# Altium PCB Thermostat_EEM.PCBDOC (part 1 of 10) (continued)
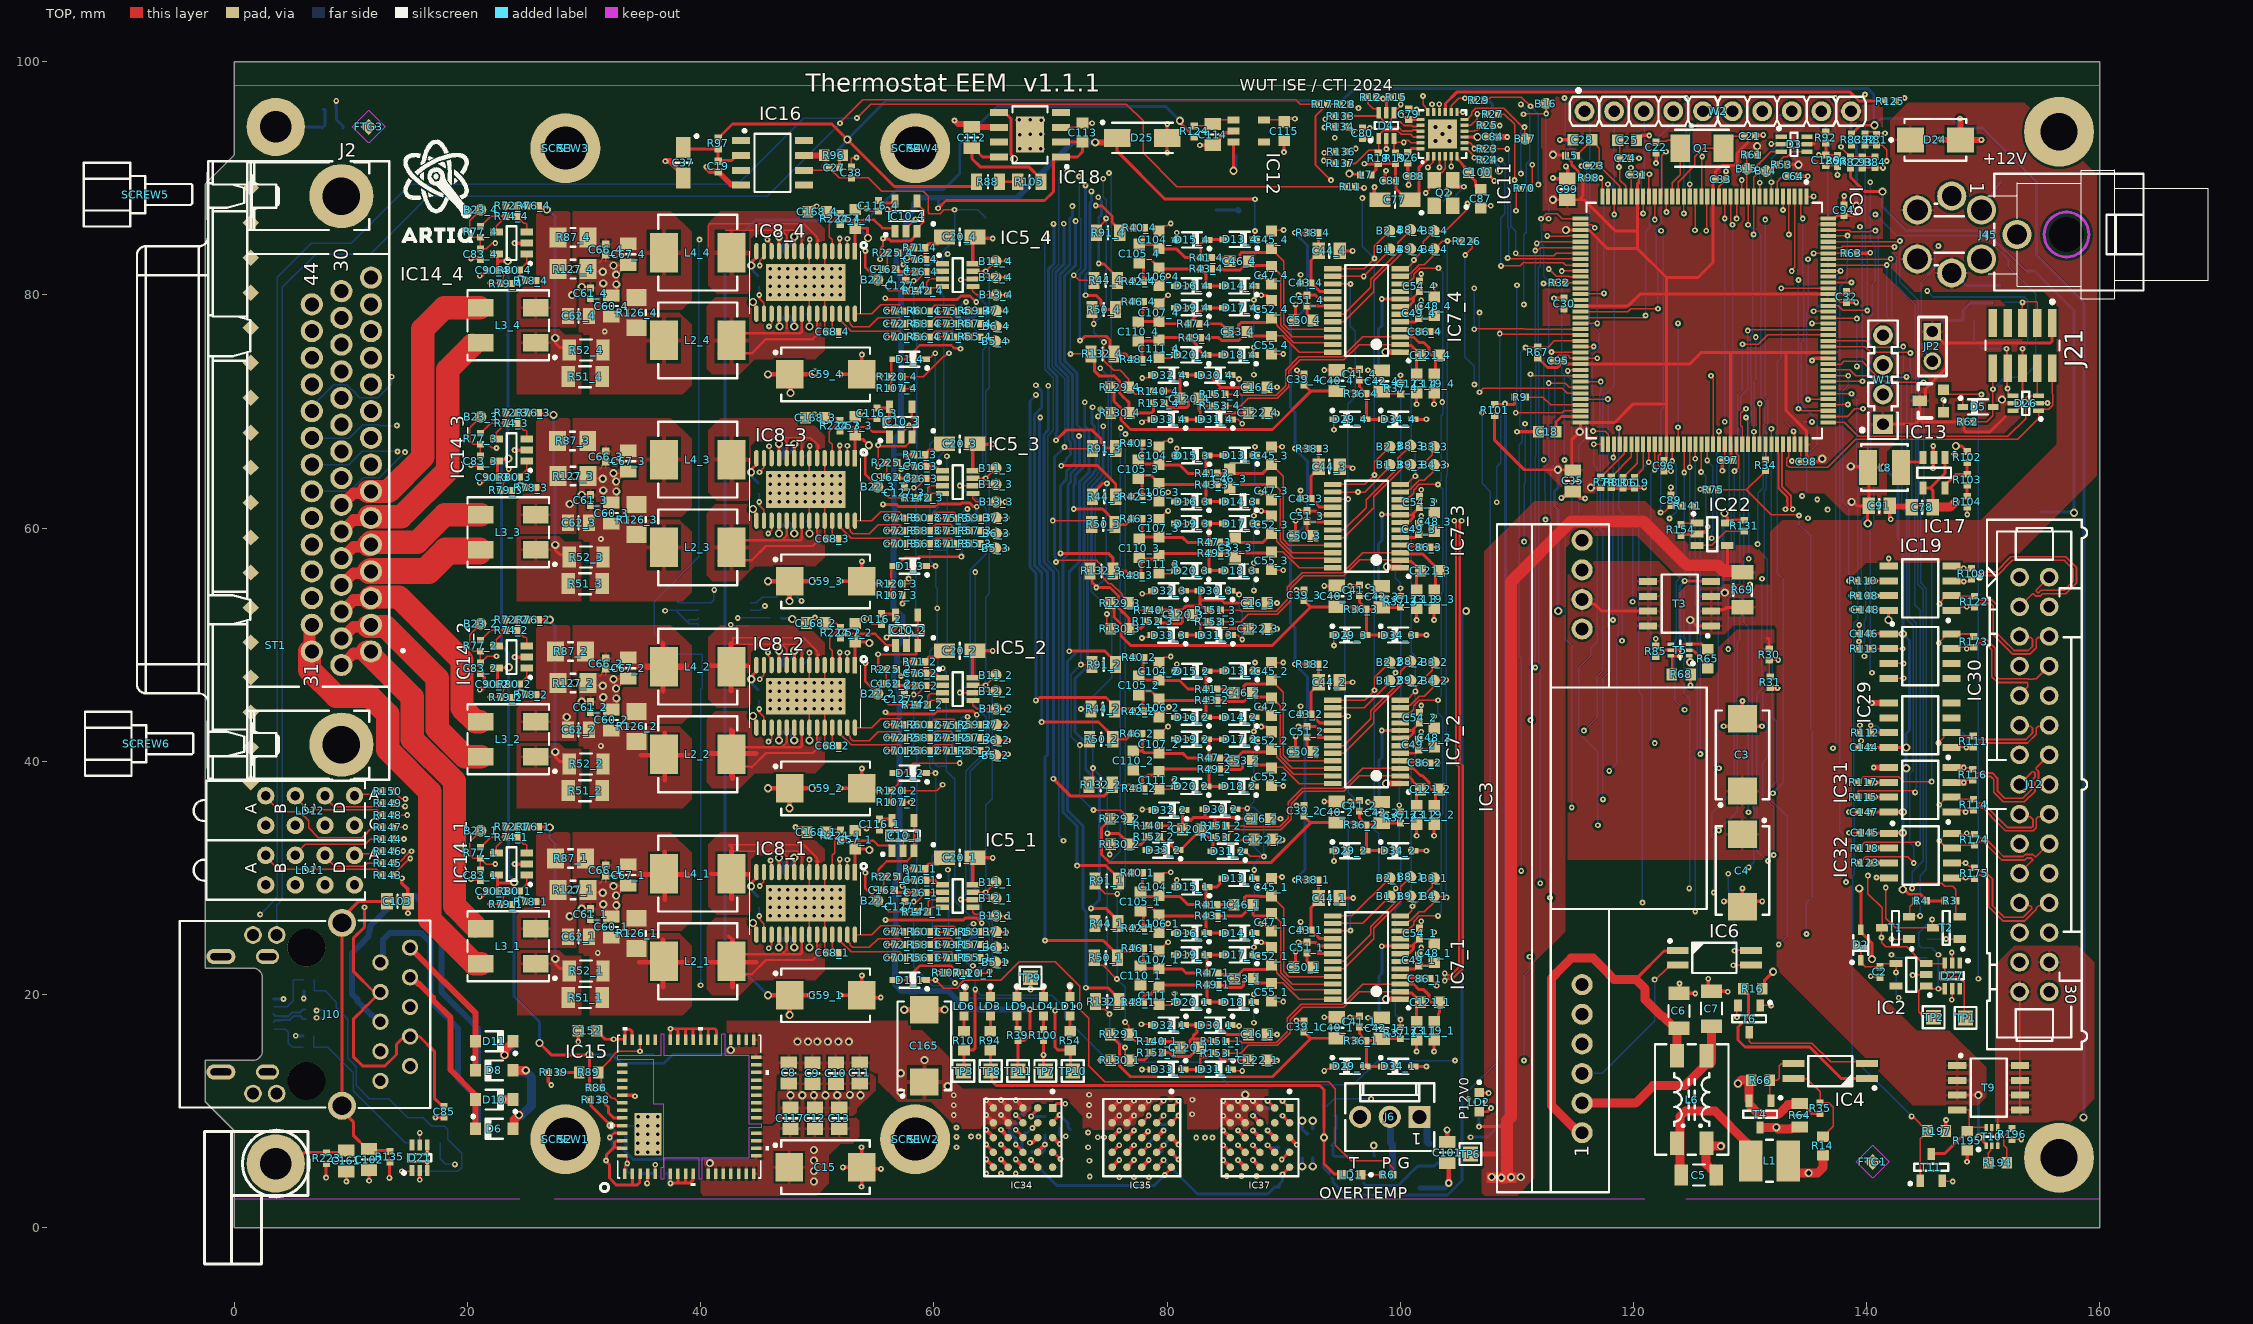
[diagram p0: TOP view]
## Design rules (kind name [scope] priority, off if disabled: settings) (continued)
Width "Schematic Width Constraint_4" [InNet('SENS1_2_P')] p12: maxlimit=0.381 minlimit=0.254 preferedwidth=0.254
Width "Schematic Width Constraint_3" [InNet('SENS0_4_P')] p13: maxlimit=0.381 minlimit=0.254 preferedwidth=0.254
Width "Schematic Width Constraint_2" [InNet('SENS0_2')] p14: maxlimit=0.381 minlimit=0.254 preferedwidth=0.254
Width "Schematic Width Constraint_1" [InNet('SENS0_3_N')] p15: maxlimit=0.381 minlimit=0.254 preferedwidth=0.254
Width "Schematic Width Constraint" [InNet('SENS1_3_P')] p16: maxlimit=0.381 minlimit=0.254 preferedwidth=0.254
Width Width_HPOW [InNetClass('HPOW')] p17: maxlimit=4 minlimit=0.254 preferedwidth=0.5
Width [All] p18: maxlimit=1.27 minlimit=0.127 preferedwidth=0.127
17 further rules are at their usual default settings.

## Classes and differential pairs
channel class TEC_driver: U_TEC_driver0 U_TEC_driver1 U_TEC_driver2 U_TEC_driver3
channel class AFE: U_AFE0 U_AFE1 U_AFE2 U_AFE3
net class HPOW: NetC5_1 NetC5_2 NetC6_2 NetC7_2 P3V3 P5V0 P12V0 P12V0_IN P12V0_POE PN_1 PN_2 PN_3 PN_4 POE_VC+ POE_VC- PPS_1 PPS_2 PPS_3 PPS_4 TEC0+ TEC0- TEC1+ TEC1- TEC2+ TEC2- TEC3+ TEC3-
net class Vref[3..0]: Vref0 Vref1 Vref2 Vref3
net class TEC_U_meas[3..0]: TEC_U_meas0 TEC_U_meas1 TEC_U_meas2 TEC_U_meas3
net class PWM_maxV[3..0]: PWM_maxV0 PWM_maxV1 PWM_maxV2 PWM_maxV3
net class PWM_maxIPos[3..0]: PWM_maxIPos0 PWM_maxIPos1 PWM_maxIPos2 PWM_maxIPos3
net class PWM_maxINeg[3..0]: PWM_maxINeg0 PWM_maxINeg1 PWM_maxINeg2 PWM_maxINeg3
net class ITEC[3..0]: ITEC0 ITEC1 ITEC2 ITEC3
net class DAC_SYNCn[3..0]: DAC_SYNCn0 DAC_SYNCn1 DAC_SYNCn2 DAC_SYNCn3
net class ADC_CSn[3..0]: ADC_CSn0 ADC_CSn1 ADC_CSn2 ADC_CSn3
net class \S\H\D\N\[3..0]: \S\H\D\N\0 \S\H\D\N\1 \S\H\D\N\2 \S\H\D\N\3
component class EEM_connector: C144 C145 C146 C147 C148 D27 IC19 IC23 IC29 IC30 IC31 IC32 IC36 IC39 IC40 IC41 J12 R108 R109 R110 R111 R112 R113 R114 R115 R116 R117 R118 R122 R123 R173 R174 R175 R194 R195 R196 R197 T9 T10 T11
component class U_TEC_driver3: B5_4 B6_4 B7_4 B11_4 B12_4 B13_4 B22_4 B23_4 C20_4 C26_4 C56_4 C57_4 C58_4 C59_4 C60_4 C61_4 C62_4 C63_4 C66_4 C67_4 C68_4 C69_4 C70_4 C71_4 C72_4 C73_4 C74_4 C75_4 C76_4 C83_4 C90_4 C116_4 C127_4 C162_4 C168_4 D1_4 IC5_4 IC8_4 IC10_4 IC14_4 IC38_4 L2_4 L3_4 L4_4 R51_4 R52_4 R55_4 R56_4 R57_4 R58_4 R59_4 R60_4 R71_4 R72_4 R74_4 R76_4 R77_4 R78_4 R79_4 R80_4 R87_4 R107_4 R120_4 R126_4 R127_4 R142_4 R224_4 R225_4
component class U_TEC_driver2: B5_3 B6_3 B7_3 B11_3 B12_3 B13_3 B22_3 B23_3 C20_3 C26_3 C56_3 C57_3 C58_3 C59_3 C60_3 C61_3 C62_3 C63_3 C66_3 C67_3 C68_3 C69_3 C70_3 C71_3 C72_3 C73_3 C74_3 C75_3 C76_3 C83_3 C90_3 C116_3 C127_3 C162_3 C168_3 D1_3 IC5_3 IC8_3 IC10_3 IC14_3 IC38_3 L2_3 L3_3 L4_3 R51_3 R52_3 R55_3 R56_3 R57_3 R58_3 R59_3 R60_3 R71_3 R72_3 R74_3 R76_3 R77_3 R78_3 R79_3 R80_3 R87_3 R107_3 R120_3 R126_3 R127_3 R142_3 R224_3 R225_3
component class U_AFE3: B1_4 B2_4 B3_4 B4_4 B8_4 B9_4 C16_4 C39_4 C40_4 C41_4 C42_4 C43_4 C44_4 C45_4 C46_4 C47_4 C48_4 C49_4 C50_4 C51_4 C52_4 C53_4 C54_4 C55_4 C86_4 C104_4 C105_4 C106_4 C107_4 C110_4 C111_4 C119_4 C120_4 C121_4 C122_4 C123_4 D13_4 D14_4 D15_4 D16_4 D17_4 D18_4 D19_4 D20_4 D29_4 D30_4 D31_4 D32_4 D33_4 D34_4 IC7_4 R36_4 R37_4 R38_4 R40_4 R41_4 R42_4 R43_4 R44_4 R46_4 R47_4 R48_4 R49_4 R50_4 R91_4 R129_4 R130_4 R132_4 R140_4 R151_4 R152_4 R153_4
component class U_AFE2: B1_3 B2_3 B3_3 B4_3 B8_3 B9_3 C16_3 C39_3 C40_3 C41_3 C42_3 C43_3 C44_3 C45_3 C46_3 C47_3 C48_3 C49_3 C50_3 C51_3 C52_3 C53_3 C54_3 C55_3 C86_3 C104_3 C105_3 C106_3 C107_3 C110_3 C111_3 C119_3 C120_3 C121_3 C122_3 C123_3 D13_3 D14_3 D15_3 D16_3 D17_3 D18_3 D19_3 D20_3 D29_3 D30_3 D31_3 D32_3 D33_3 D34_3 IC7_3 R36_3 R37_3 R38_3 R40_3 R41_3 R42_3 R43_3 R44_3 R46_3 R47_3 R48_3 R49_3 R50_3 R91_3 R129_3 R130_3 R132_3 R140_3 R151_3 R152_3 R153_3
component class U_AFE1: B1_2 B2_2 B3_2 B4_2 B8_2 B9_2 C16_2 C39_2 C40_2 C41_2 C42_2 C43_2 C44_2 C45_2 C46_2 C47_2 C48_2 C49_2 C50_2 C51_2 C52_2 C53_2 C54_2 C55_2 C86_2 C104_2 C105_2 C106_2 C107_2 C110_2 C111_2 C119_2 C120_2 C121_2 C122_2 C123_2 D13_2 D14_2 D15_2 D16_2 D17_2 D18_2 D19_2 D20_2 D29_2 D30_2 D31_2 D32_2 D33_2 D34_2 IC7_2 R36_2 R37_2 R38_2 R40_2 R41_2 R42_2 R43_2 R44_2 R46_2 R47_2 R48_2 R49_2 R50_2 R91_2 R129_2 R130_2 R132_2 R140_2 R151_2 R152_2 R153_2
component class U_AFE0: B1_1 B2_1 B3_1 B4_1 B8_1 B9_1 C16_1 C39_1 C40_1 C41_1 C42_1 C43_1 C44_1 C45_1 C46_1 C47_1 C48_1 C49_1 C50_1 C51_1 C52_1 C53_1 C54_1 C55_1 C86_1 C104_1 C105_1 C106_1 C107_1 C110_1 C111_1 C119_1 C120_1 C121_1 C122_1 C123_1 D13_1 D14_1 D15_1 D16_1 D17_1 D18_1 D19_1 D20_1 D29_1 D30_1 D31_1 D32_1 D33_1 D34_1 IC7_1 R36_1 R37_1 R38_1 R40_1 R41_1 R42_1 R43_1 R44_1 R46_1 R47_1 R48_1 R49_1 R50_1 R91_1 R129_1 R130_1 R132_1 R140_1 R151_1 R152_1 R153_1
component class Thermostat_EEM: C1 C2 C160 C161 D3 FTG1 FTG2 FTG3 FTG4 IC1 IC2 J2 LD1 R1 R2 R3 R4 R5 R6 R220 R223 S1 S2 S3 S4 SCREW1 SCREW2 SCREW3 SCREW4 SCREW5 SCREW6 SCREW7 SCREW8 ST1 Standoff1 Standoff2 Standoff4 T1 T2 TP1 TP2 TP3
net class POWER: P5V0 P12V0
net class HV: NetC5_1 NetC5_2 NetC6_2 NetC7_2 NetIC3_3 NetIC4_3 NetIC4_4 POE_IN1 POE_IN2 POE_IN3 POE_IN4 POE_VC+ POE_VC-
component class USB: C108 C109 D21 FB1 FB2 J9 L9 R73 R75
component class U_STM32_F4CPU: B14 B15 C17 C18 C21 C22 C23 C24 C25 C28 C29 C30 C31 C32 C33 C35 C64 C92 C93 C94 C95 C96 C97 C98 C99 C126 D5 D26 IC9 IC13 J21 JP2 L5 LD11 LD12 Q1 R7 R8 R32 R33 R34 R53 R61 R62 R63 R70 R81 R82 R83 R84 R92 R93 R106 R119 R143 R144 R145 R146 R147 R148 R149 R150 R226 W1 W2
component class U_TEC_driver1: B5_2 B6_2 B7_2 B11_2 B12_2 B13_2 B22_2 B23_2 C20_2 C26_2 C56_2 C57_2 C58_2 C59_2 C60_2 C61_2 C62_2 C63_2 C66_2 C67_2 C68_2 C69_2 C70_2 C71_2 C72_2 C73_2 C74_2 C75_2 C76_2 C83_2 C90_2 C116_2 C127_2 C162_2 C168_2 D1_2 IC5_2 IC8_2 IC10_2 IC14_2 IC38_2 L2_2 L3_2 L4_2 R51_2 R52_2 R55_2 R56_2 R57_2 R58_2 R59_2 R60_2 R71_2 R72_2 R74_2 R76_2 R77_2 R78_2 R79_2 R80_2 R87_2 R107_2 R120_2 R126_2 R127_2 R142_2 R224_2 R225_2
component class U_TEC_driver0: B5_1 B6_1 B7_1 B11_1 B12_1 B13_1 B22_1 B23_1 C20_1 C26_1 C56_1 C57_1 C58_1 C59_1 C60_1 C61_1 C62_1 C63_1 C66_1 C67_1 C68_1 C69_1 C70_1 C71_1 C72_1 C73_1 C74_1 C75_1 C76_1 C83_1 C90_1 C116_1 C127_1 C162_1 C168_1 D1_1 IC5_1 IC8_1 IC10_1 IC14_1 IC38_1 L2_1 L3_1 L4_1 R51_1 R52_1 R55_1 R56_1 R57_1 R58_1 R59_1 R60_1 R71_1 R72_1 R74_1 R76_1 R77_1 R78_1 R79_1 R80_1 R87_1 R107_1 R120_1 R126_1 R127_1 R142_1 R224_1 R225_1
component class RMII_Ethernet: B16 B17 C36 C65 C77 C79 C80 C81 C84 C85 C87 C88 C100 C102 C103 D4 D6 D7 D8 D9 D10 D11 D22 D23 IC11 J10 L7 Q2 R11 R12 R15 R17 R18 R19 R20 R21 R22 R23 R24 R25 R26 R27 R28 R29 R98 R99 R125 R133 R134 R135 R136 R137
component class U_Thermostat_Supply: B10 B18 B19 B20 B21 B24 B25 C3 C4 C5 C6 C7 C8 C9 C10 C11 C12 C13 C14 C15 C19 C27 C34 C37 C38 C78 C82 C89 C91 C101 C112 C113 C114 C115 C117 C118 C152 C155 C156 C157 C158 C159 C163 C164 C165 C166 C167 D2 D12 D24 D25 D28 IC3 IC4 IC6 IC12 IC15 IC16 IC17 IC18 IC22 IC34 IC35 IC37 J4 J5 J6 L1 L6 L8 LD2 LD3 LD4 LD6 LD9 LD10 R9 R10 R13 R14 R16 R30 R31 R35 R39 R54 R64 R65 R66 R67 R68 R69 R85 R86 R88 R89 R90 R94 R95 R96 R97 R100 R101 R102 R103 R104 R105 R121 R124 R128 R131 R138 R139 R141 R154 R219 R221 R222 R227 R228 R229 R230 R231 T3 T4 T5 T6 T7 T8 TP4 TP5 TP6 TP7 TP8 TP9 TP10 TP11 TP12 TP13 TP14
differential pair TD: +TD_P -TD_N
differential pair RD: +RD_P -RD_N
differential pair LVDS7: +LVDS7_P -LVDS7_N
differential pair LVDS6: +LVDS6_P -LVDS6_N
differential pair LVDS5: +LVDS5_P -LVDS5_N
differential pair LVDS4: +LVDS4_P -LVDS4_N
differential pair LVDS3: +LVDS3_P -LVDS3_N
differential pair LVDS2: +LVDS2_P -LVDS2_N
differential pair LVDS1: +LVDS1_P -LVDS1_N
differential pair LVDS0: +LVDS0_P -LVDS0_N
differential pair USB: +USB_P -USB_N
differential pair USBJ: +USBJ_P -USBJ_N
differential pair PHY_TD: +PHY_TD_P -PHY_TD_N
differential pair PHY_RD: +PHY_RD_P -PHY_RD_N

## Components (designator, comment, footprint, x,y, rotation, side; value= is the part's Value field where it differs from the comment)
B1_1 "SMD Pad" C100#1 99.103,28.433 r90 top (schematic designator B1)
B1_2 "SMD Pad" C100#1 99.103,46.933 r90 top (schematic designator B1)
B1_3 "SMD Pad" C100#1 99.103,65.433 r90 top (schematic designator B1)
B1_4 "SMD Pad" C100#1 99.103,83.933 r90 top (schematic designator B1)
B2_1 "SMD Pad" C100#1 99.103,29.989 r90 top (schematic designator B2)
B2_2 "SMD Pad" C100#1 99.103,48.489 r90 top (schematic designator B2)
B2_3 "SMD Pad" C100#1 99.103,66.989 r90 top (schematic designator B2)
B2_4 "SMD Pad" C100#1 99.103,85.489 r90 top (schematic designator B2)
B3_1 "SMD Pad" C100#1 102.903,29.989 r90 top (schematic designator B3)
B3_2 "SMD Pad" C100#1 102.903,48.489 r90 top (schematic designator B3)
B3_3 "SMD Pad" C100#1 102.903,66.989 r90 top (schematic designator B3)
B3_4 "SMD Pad" C100#1 102.903,85.489 r90 top (schematic designator B3)
B4_1 "SMD Pad" C100#1 102.901,28.433 r90 top (schematic designator B4)
B4_2 "SMD Pad" C100#1 102.901,46.933 r90 top (schematic designator B4)
B4_3 "SMD Pad" C100#1 102.901,65.433 r90 top (schematic designator B4)
B4_4 "SMD Pad" C100#1 102.901,83.933 r90 top (schematic designator B4)
B5_1 "SMD Pad" C100#2 65.275,22.778 r270 top (schematic designator B5)
B5_2 "SMD Pad" C100#1 65.275,40.528 r270 top (schematic designator B5)
B5_3 "SMD Pad" C100#1 65.275,58.278 r270 top (schematic designator B5)
B5_4 "SMD Pad" C100#1 65.275,76.028 r270 top (schematic designator B5)
B6_1 "SMD Pad" C100#2 65.337,24.05 r270 top (schematic designator B6)
B6_2 "SMD Pad" C100#1 65.337,41.8 r270 top (schematic designator B6)
B6_3 "SMD Pad" C100#1 65.337,59.55 r270 top (schematic designator B6)
B6_4 "SMD Pad" C100#1 65.337,77.3 r270 top (schematic designator B6)
B7_1 "SMD Pad" C100#2 65.337,25.395 r270 top (schematic designator B7)
B7_2 "SMD Pad" C100#1 65.337,43.145 r270 top (schematic designator B7)
B7_3 "SMD Pad" C100#1 65.337,60.895 r270 top (schematic designator B7)
B7_4 "SMD Pad" C100#1 65.337,78.645 r270 top (schematic designator B7)
B8_1 "SMD Pad" C100#1 100.883,30.089 r90 top (schematic designator B8)
B8_2 "SMD Pad" C100#1 100.883,48.589 r90 top (schematic designator B8)
B8_3 "SMD Pad" C100#1 100.883,67.089 r90 top (schematic designator B8)
B8_4 "SMD Pad" C100#1 100.883,85.589 r90 top (schematic designator B8)
B9_1 "SMD Pad" C100#1 100.883,28.439 r90 top (schematic designator B9)
B9_2 "SMD Pad" C100#1 100.883,46.939 r90 top (schematic designator B9)
B9_3 "SMD Pad" C100#1 100.883,65.439 r90 top (schematic designator B9)
B9_4 "SMD Pad" C100#1 100.883,83.939 r90 top (schematic designator B9)
B10 "SMD Pad" C75 68.239,10.321 r90 bottom
B11_1 "SMD Pad" C100#2 65.312,29.655 r270 top (schematic designator B11)
B11_2 "SMD Pad" C100#1 65.312,47.405 r270 top (schematic designator B11)
B11_3 "SMD Pad" C100#1 65.312,65.155 r270 top (schematic designator B11)
B11_4 "SMD Pad" C100#1 65.312,82.905 r270 top (schematic designator B11)
B12_1 "SMD Pad" C100#2 65.312,28.255 r270 top (schematic designator B12)
B12_2 "SMD Pad" C100#1 65.312,46.005 r270 top (schematic designator B12)
B12_3 "SMD Pad" C100#1 65.312,63.755 r270 top (schematic designator B12)
B12_4 "SMD Pad" C100#1 65.312,81.505 r270 top (schematic designator B12)
B13_1 "SMD Pad" C100#2 65.337,26.755 r270 top (schematic designator B13)
B13_2 "SMD Pad" C100#1 65.337,44.505 r270 top (schematic designator B13)
B13_3 "SMD Pad" C100#1 65.337,62.255 r270 top (schematic designator B13)
B13_4 "SMD Pad" C100#1 65.337,80.005 r270 top (schematic designator B13)
B14 "SMD Pad" C100#1 131.366,90.634 r90 top
B15 "SMD Pad" C100#1 129.732,90.836 r90 top
B16 "SMD Pad" C100#1 112.489,96.413 r0 top
B17 "SMD Pad" C100#1 110.717,93.396 r0 top
B18 "SMD Pad" C75 89.231,10.283 r270 bottom
B19 "SMD Pad" C75 77.808,8.968 r90 bottom
B20 "SMD Pad" C75 68.941,5.207 r90 bottom
B21 "SMD Pad" C75 89.441,3.607 r90 bottom
B22_1 "SMD Pad" C100#3 55.175,28.055 r270 top (schematic designator B22)
B22_2 "SMD Pad" C100#1 55.175,45.805 r270 top (schematic designator B22)
B22_3 "SMD Pad" C100#1 55.175,63.555 r270 top (schematic designator B22)
B22_4 "SMD Pad" C100#1 55.175,81.305 r270 top (schematic designator B22)
B23_1 "SMD Pad" C100#3 21.127,34.06 r180 top (schematic designator B23)
B23_2 "SMD Pad" C100#1 21.127,51.81 r180 top (schematic designator B23)
B23_3 "SMD Pad" C100#1 21.127,69.56 r180 top (schematic designator B23)
B23_4 "SMD Pad" C100#1 21.127,87.31 r180 top (schematic designator B23)
B24 "SMD Pad" C100#1 151.465,80.814 r0 bottom
B25 "SMD Pad" C100#1 151.465,89.675 r0 bottom
C1 "100nF" CAPC1005X55N 37.953,53.325 r90 bottom
C2 "100nF" CAPC1005X55N 141.143,21.942 r90 top
C3 "220uF" CAPMP7343X430N 129.35,40.558 r90 top
C4 "220uF" CAPMP7343X430N 129.35,30.642 r270 top
C5 "4.7nF" CAPC3216X140N 125.602,4.521 r180 top
C6 "4.7nF" CAPC3216X140N 123.9,18.6 r270 top
C7 "4.7nF" CAPC3216X140N 126.7,18.8 r270 top
C8 "22uF" CAPC2012X135N 47.559,13.275 r90 top
C9 "22uF" CAPC2012X135N 49.586,13.25 r90 top
C10 "22uF" CAPC2012X135N 51.603,13.25 r90 top
C11 "22uF" CAPC2012X135N 53.632,13.275 r90 top
C12 "10uF" CAPC2012X135N 49.8,9.4 r270 top
C13 "10uF" CAPC2012X135N 51.9,9.4 r270 top
C14 "100nF" CAPC1005X55N 33.65,8.45 r270 bottom
C15 "220uF" CAPMP7343X430N 50.7,5.2 r0 top
C16_1 "10nF" CAPC1608X87N 87.769,16.581 r0 top (schematic designator C16)
C16_2 "10nF" CAPC1608X87N 88.064,35.081 r0 top (schematic designator C16)
C16_3 "10nF" CAPC1608X87N 87.769,53.581 r0 top (schematic designator C16)
C16_4 "10nF" CAPC1608X87N 87.769,72.081 r0 top (schematic designator C16)
C17 "2.2uF" CAPC1608X90N 133.769,69.119 r180 bottom
C18 "2.2uF" CAPC1608X90N 112.612,68.269 r0 top
C19 "100nF" CAPC1005X55N 41.5,91.025 r270 top
C20_1 "10uF" CAPMP3216X180N 62.23,31.725 r0 top (schematic designator C20)
C20_2 "10uF" CAPMP3216X180N 62.23,49.475 r0 top (schematic designator C20)
C20_3 "10uF" CAPMP3216X180N 62.23,67.225 r0 top (schematic designator C20)
C20_4 "10uF" CAPMP3216X180N 62.23,84.975 r0 top (schematic designator C20)
C21 "12pF" CAPC1005X55N 129.985,93.63 r0 top
C22 "12pF" CAPC1005X55N 121.935,92.657 r270 top
C23 "10nF" CAPC1005X55N 116.597,91.1 r0 top
C24 "10nF" CAPC1005X55N 119.306,91.732 r180 top
C25 "1uF" CAPC1608X87N 119.451,93.262 r180 top
C26_1 "100nF" CAPC1005X55N 58.875,28.75 r180 top (schematic designator C26)
C26_2 "100nF" CAPC1005X55N 58.875,46.5 r180 top (schematic designator C26)
C26_3 "100nF" CAPC1005X55N 58.875,64.25 r180 top (schematic designator C26)
C26_4 "100nF" CAPC1005X55N 58.875,82 r180 top (schematic designator C26)
C27 "10nF" CAPC1005X55N 51.45,90.925 r0 top
C28 "1uF" CAPC1608X87N 115.622,93.301 r0 top
C29 "100nF" CAPC1005X55N 151.293,79.297 r180 bottom
C30 "100nF" CAPC1005X55N 114.053,79.269 r270 top
C31 "100nF" CAPC1005X55N 120.228,90.3 r0 top
C32 "100nF" CAPC1005X55N 138.278,79.831 r90 top
C33 "100nF" CAPC1005X55N 127.485,89.912 r180 top
C34 "22pF" CAPC1005X55N 34.351,4.645 r0 bottom
C35 "10uF" CAPC2012X135N 114.807,64.05 r270 top
C36 "18pF" CAPC1005X55N 103.62,89.725 r180 bottom
C37 "10uF" CAPMP3216X180N 38.525,91.35 r270 top
C38 "100nF" CAPC1005X55N 52.932,90.5 r90 top
C39_1 "100nF" CAPC1005X55N 91.74,17.256 r90 top (schematic designator C39)
C39_2 "100nF" CAPC1005X55N 91.74,35.756 r90 top (schematic designator C39)
C39_3 "100nF" CAPC1005X55N 91.74,54.256 r90 top (schematic designator C39)
C39_4 "100nF" CAPC1005X55N 91.74,72.756 r90 top (schematic designator C39)
C40_1 "10uF" CAPC2012X135N 94.552,17.156 r90 top (schematic designator C40)
C40_2 "10uF" CAPC2012X135N 94.552,35.656 r90 top (schematic designator C40)
C40_3 "10uF" CAPC2012X135N 94.552,54.156 r90 top (schematic designator C40)
C40_4 "10uF" CAPC2012X135N 94.552,72.656 r90 top (schematic designator C40)
C41_1 "100nF" CAPC1005X55N 96.503,17.689 r90 top (schematic designator C41)
C41_2 "100nF" CAPC1005X55N 96.503,36.189 r90 top (schematic designator C41)
C41_3 "100nF" CAPC1005X55N 96.503,54.689 r90 top (schematic designator C41)
C41_4 "100nF" CAPC1005X55N 96.503,73.189 r90 top (schematic designator C41)
C42_1 "10uF" CAPC2012X135N 98.417,17.114 r90 top (schematic designator C42)
C42_2 "10uF" CAPC2012X135N 98.417,35.614 r90 top (schematic designator C42)
C42_3 "10uF" CAPC2012X135N 98.417,54.114 r90 top (schematic designator C42)
C42_4 "10uF" CAPC2012X135N 98.417,72.614 r90 top (schematic designator C42)
C43_1 "100nF" CAPC1005X55N 91.903,25.539 r180 top (schematic designator C43)
C43_2 "100nF" CAPC1005X55N 91.903,44.039 r180 top (schematic designator C43)
C43_3 "100nF" CAPC1005X55N 91.903,62.539 r180 top (schematic designator C43)
C43_4 "100nF" CAPC1005X55N 91.903,81.039 r180 top (schematic designator C43)
C44_1 "10uF" CAPC2012X135N 93.903,28.282 r0 top (schematic designator C44)
C44_2 "10uF" CAPC2012X135N 93.903,46.782 r0 top (schematic designator C44)
C44_3 "10uF" CAPC2012X135N 93.903,65.282 r0 top (schematic designator C44)
C44_4 "10uF" CAPC2012X135N 93.903,83.782 r0 top (schematic designator C44)
C45_1 "1nF" CAPC1608X90N 88.955,29.223 r90 top (schematic designator C45)
C45_2 "1nF" CAPC1608X90N 88.955,47.723 r90 top (schematic designator C45)
C45_3 "1nF" CAPC1608X90N 88.955,66.223 r90 top (schematic designator C45)
C45_4 "1nF" CAPC1608X90N 88.955,84.723 r90 top (schematic designator C45)
C46_1 "10nF" CAPC1608X87N 86.557,27.708 r0 top (schematic designator C46)
C46_2 "10nF" CAPC1608X87N 86.538,45.88 r0 top (schematic designator C46)
C46_3 "10nF" CAPC1608X87N 85.365,64.258 r270 top (schematic designator C46)
C46_4 "10nF" CAPC1608X87N 86.18,82.905 r0 top (schematic designator C46)
C47_1 "1nF" CAPC1608X90N 88.955,26.191 r90 top (schematic designator C47)
C47_2 "1nF" CAPC1608X90N 88.955,44.691 r90 top (schematic designator C47)
C47_3 "1nF" CAPC1608X90N 88.955,63.191 r90 top (schematic designator C47)
C47_4 "1nF" CAPC1608X90N 88.955,81.691 r90 top (schematic designator C47)
C48_1 "1uF" CAPC1608X87N 102.903,23.539 r270 top (schematic designator C48)
C48_2 "1uF" CAPC1608X87N 102.903,42.039 r270 top (schematic designator C48)
C48_3 "1uF" CAPC1608X87N 102.903,60.539 r270 top (schematic designator C48)
C48_4 "1uF" CAPC1608X87N 102.903,79.039 r270 top (schematic designator C48)
C49_1 "100nF" CAPC1005X55N 101.596,22.929 r90 top (schematic designator C49)
C49_2 "100nF" CAPC1005X55N 101.596,41.429 r90 top (schematic designator C49)
C49_3 "100nF" CAPC1005X55N 101.596,59.929 r90 top (schematic designator C49)
C49_4 "100nF" CAPC1005X55N 101.596,78.429 r90 top (schematic designator C49)
C50_1 "1uF" CAPC1608X87N 91.703,22.339 r0 top (schematic designator C50)
C50_2 "1uF" CAPC1608X87N 91.703,40.839 r0 top (schematic designator C50)
C50_3 "1uF" CAPC1608X87N 91.703,59.339 r0 top (schematic designator C50)
C50_4 "1uF" CAPC1608X87N 91.703,77.839 r0 top (schematic designator C50)
C51_1 "100nF" CAPC1005X55N 92.003,24.036 r90 top (schematic designator C51)
C51_2 "100nF" CAPC1005X55N 92.003,42.536 r90 top (schematic designator C51)
C51_3 "100nF" CAPC1005X55N 92.003,61.036 r90 top (schematic designator C51)
C51_4 "100nF" CAPC1005X55N 92.003,79.536 r90 top (schematic designator C51)
C52_1 "1nF" CAPC1608X90N 88.955,23.289 r90 top (schematic designator C52)
C52_2 "1nF" CAPC1608X90N 88.955,41.789 r90 top (schematic designator C52)
C52_3 "1nF" CAPC1608X90N 88.955,60.289 r90 top (schematic designator C52)
C52_4 "1nF" CAPC1608X90N 88.955,78.789 r90 top (schematic designator C52)
C53_1 "10nF" CAPC1608X87N 86.609,21.368 r0 top (schematic designator C53)
C53_2 "10nF" CAPC1608X87N 86.532,40.048 r0 top (schematic designator C53)
C53_3 "10nF" CAPC1608X87N 85.839,58.342 r270 top (schematic designator C53)
C53_4 "10nF" CAPC1608X87N 86.071,76.843 r0 top (schematic designator C53)
C54_1 "100nF" CAPC1005X55N 101.653,25.246 r90 top (schematic designator C54)
C54_2 "100nF" CAPC1005X55N 101.653,43.746 r90 top (schematic designator C54)
C54_3 "100nF" CAPC1005X55N 101.653,62.246 r90 top (schematic designator C54)
C54_4 "100nF" CAPC1005X55N 101.653,80.746 r90 top (schematic designator C54)
C55_1 "1nF" CAPC1608X90N 88.955,20.195 r90 top (schematic designator C55)
C55_2 "1nF" CAPC1608X90N 88.955,38.695 r90 top (schematic designator C55)
C55_3 "1nF" CAPC1608X90N 88.955,57.195 r90 top (schematic designator C55)
C55_4 "1nF" CAPC1608X90N 88.955,75.695 r90 top (schematic designator C55)
C56_1 "1uF" CAPC1608X87N 47.925,30.444 r180 bottom (schematic designator C56)
C56_2 "1uF" CAPC1608X87N 47.925,48.194 r180 bottom (schematic designator C56)
C56_3 "1uF" CAPC1608X87N 47.925,65.944 r180 bottom (schematic designator C56)
C56_4 "1uF" CAPC1608X87N 47.925,83.694 r180 bottom (schematic designator C56)
C57_1 "1uF" CAPC1608X87N 53.25,33.275 r270 top (schematic designator C57)
C57_2 "1uF" CAPC1608X87N 53.25,51.025 r270 top (schematic designator C57)
C57_3 "1uF" CAPC1608X87N 53.25,68.775 r270 top (schematic designator C57)
C57_4 "1uF" CAPC1608X87N 53.25,86.525 r270 top (schematic designator C57)
C58_1 "1uF" CAPC1608X87N 48.232,25.144 r180 bottom (schematic designator C58)
C58_2 "1uF" CAPC1608X87N 48.232,42.894 r180 bottom (schematic designator C58)
C58_3 "1uF" CAPC1608X87N 48.232,60.644 r180 bottom (schematic designator C58)
C58_4 "1uF" CAPC1608X87N 48.232,78.394 r180 bottom (schematic designator C58)
C59_1 "220uF" CAPMP7343X430N 50.725,19.944 r0 top (schematic designator C59)
C59_2 "220uF" CAPMP7343X430N 50.725,37.694 r0 top (schematic designator C59)
C59_3 "220uF" CAPMP7343X430N 50.725,55.444 r0 top (schematic designator C59)
C59_4 "220uF" CAPMP7343X430N 50.725,73.194 r0 top (schematic designator C59)
C60_1 "10uF" CAPC2012X135N 32.325,25.802 r90 top (schematic designator C60)
C60_2 "10uF" CAPC2012X135N 32.325,43.552 r90 top (schematic designator C60)
C60_3 "10uF" CAPC2012X135N 32.325,61.302 r90 top (schematic designator C60)
C60_4 "10uF" CAPC2012X135N 32.325,79.052 r90 top (schematic designator C60)
C61_1 "100nF" CAPC1005X55N 30.552,26.91 r270 top (schematic designator C61)
C61_2 "100nF" CAPC1005X55N 30.552,44.66 r270 top (schematic designator C61)
C61_3 "100nF" CAPC1005X55N 30.552,62.41 r270 top (schematic designator C61)
C61_4 "100nF" CAPC1005X55N 30.552,80.16 r270 top (schematic designator C61)
C62_1 "10uF" CAPC2012X135N 29.525,24.955 r0 top (schematic designator C62)
C62_2 "10uF" CAPC2012X135N 29.525,42.705 r0 top (schematic designator C62)
C62_3 "10uF" CAPC2012X135N 29.525,60.455 r0 top (schematic designator C62)
C62_4 "10uF" CAPC2012X135N 29.525,78.205 r0 top (schematic designator C62)
C63_1 "100nF" CAPC1005X55N 44.925,27.944 r90 bottom (schematic designator C63)
C63_2 "100nF" CAPC1005X55N 44.925,45.694 r90 bottom (schematic designator C63)
C63_3 "100nF" CAPC1005X55N 44.925,63.444 r90 bottom (schematic designator C63)
C63_4 "100nF" CAPC1005X55N 44.925,81.194 r90 bottom (schematic designator C63)
C64 "100nF" CAPC1005X55N 133.703,90.187 r180 top
C65 "18pF" CAPC1005X55N 104.089,88.005 r180 bottom
C66_1 "100nF" CAPC1005X55N 31.852,30.644 r270 top (schematic designator C66)
C66_2 "100nF" CAPC1005X55N 31.852,48.394 r270 top (schematic designator C66)
C66_3 "100nF" CAPC1005X55N 31.852,66.144 r270 top (schematic designator C66)
C66_4 "100nF" CAPC1005X55N 31.852,83.894 r270 top (schematic designator C66)
C67_1 "10uF" CAPC2012X135N 33.802,30.251 r90 top (schematic designator C67)
C67_2 "10uF" CAPC2012X135N 33.802,48.001 r90 top (schematic designator C67)
C67_3 "10uF" CAPC2012X135N 33.802,65.751 r90 top (schematic designator C67)
C67_4 "10uF" CAPC2012X135N 33.802,83.501 r90 top (schematic designator C67)
C68_1 "10nF" CAPC1005X55N 51.307,23.59 r0 top (schematic designator C68)
C68_2 "10nF" CAPC1005X55N 51.307,41.34 r0 top (schematic designator C68)
C68_3 "10nF" CAPC1005X55N 51.307,59.09 r0 top (schematic designator C68)
C68_4 "10nF" CAPC1005X55N 51.307,76.84 r0 top (schematic designator C68)
C69_1 "1uF" CAPC1608X87N 64.054,24.462 r90 bottom (schematic designator C69)
C69_2 "1uF" CAPC1608X87N 63.8,42.247 r90 bottom (schematic designator C69)
C69_3 "1uF" CAPC1608X87N 63.8,60.113 r90 bottom (schematic designator C69)
C69_4 "1uF" CAPC1608X87N 63.8,77.627 r90 bottom (schematic designator C69)
C70_1 "100nF" CAPC1005X55N 57.105,23.157 r180 top (schematic designator C70)
C70_2 "100nF" CAPC1005X55N 57.105,40.907 r180 top (schematic designator C70)
C70_3 "100nF" CAPC1005X55N 57.105,58.657 r180 top (schematic designator C70)
C70_4 "100nF" CAPC1005X55N 57.105,76.407 r180 top (schematic designator C70)
C71_1 "100nF" CAPC1005X55N 61.525,23.157 r180 top (schematic designator C71)
C71_2 "100nF" CAPC1005X55N 61.525,40.907 r180 top (schematic designator C71)
C71_3 "100nF" CAPC1005X55N 61.525,58.657 r180 top (schematic designator C71)
C71_4 "100nF" CAPC1005X55N 61.525,76.407 r180 top (schematic designator C71)
C72_1 "100nF" CAPC1005X55N 57.105,24.286 r180 top (schematic designator C72)
C72_2 "100nF" CAPC1005X55N 57.105,42.036 r180 top (schematic designator C72)
C72_3 "100nF" CAPC1005X55N 57.105,59.786 r180 top (schematic designator C72)
C72_4 "100nF" CAPC1005X55N 57.105,77.536 r180 top (schematic designator C72)
C73_1 "100nF" CAPC1005X55N 61.525,24.286 r180 top (schematic designator C73)
C73_2 "100nF" CAPC1005X55N 61.525,42.036 r180 top (schematic designator C73)
C73_3 "100nF" CAPC1005X55N 61.525,59.786 r180 top (schematic designator C73)
C73_4 "100nF" CAPC1005X55N 61.525,77.536 r180 top (schematic designator C73)
C74_1 "100nF" CAPC1005X55N 57.105,25.383 r180 top (schematic designator C74)
C74_2 "100nF" CAPC1005X55N 57.105,43.133 r180 top (schematic designator C74)
C74_3 "100nF" CAPC1005X55N 57.105,60.883 r180 top (schematic designator C74)
C74_4 "100nF" CAPC1005X55N 57.105,78.633 r180 top (schematic designator C74)
C75_1 "100nF" CAPC1005X55N 61.525,25.358 r180 top (schematic designator C75)
C75_2 "100nF" CAPC1005X55N 61.525,43.108 r180 top (schematic designator C75)
C75_3 "100nF" CAPC1005X55N 61.525,60.858 r180 top (schematic designator C75)
C75_4 "100nF" CAPC1005X55N 61.525,78.608 r180 top (schematic designator C75)
C76_1 "100nF" CAPC1005X55N 58.85,29.8 r180 top (schematic designator C76)
C76_2 "100nF" CAPC1005X55N 58.85,47.55 r180 top (schematic designator C76)
C76_3 "100nF" CAPC1005X55N 58.85,65.3 r180 top (schematic designator C76)
C76_4 "100nF" CAPC1005X55N 58.85,83.05 r180 top (schematic designator C76)
C77 "10uF" CAPMP3216X180N 99.545,88.175 r180 top
C78 "10uF" CAPC2012X135N 144.771,61.803 r0 top
C79 "100nF" CAPC1005X55N 100.72,95.499 r90 top
C80 "100nF" CAPC1005X55N 96.752,93.873 r270 top
C81 "100nF" CAPC1005X55N 99.145,89.8 r0 top
C82 "100nF" CAPC1005X55N 93.938,9.68 r0 bottom
C83_1 "10nF" CAPC1005X55N 21.111,30.245 r90 top (schematic designator C83)
C83_2 "10nF" CAPC1005X55N 21.111,47.995 r90 top (schematic designator C83)
C83_3 "10nF" CAPC1005X55N 21.111,65.745 r90 top (schematic designator C83)
C83_4 "10nF" CAPC1005X55N 21.111,83.495 r90 top (schematic designator C83)
C84 "100nF" CAPC1005X55N 107.94,93.55 r180 top
C85 "100nF" CAPC1005X55N 17.996,9.94 r90 top
C86_1 "100nF" CAPC1005X55N 102.103,21.368 r0 top (schematic designator C86)
C86_2 "100nF" CAPC1005X55N 102.103,39.868 r0 top (schematic designator C86)
C86_3 "100nF" CAPC1005X55N 102.103,58.368 r0 top (schematic designator C86)
C86_4 "100nF" CAPC1005X55N 102.103,76.868 r0 top (schematic designator C86)
C87 "1uF" CAPC1608X87N 106.901,88.243 r90 top
C88 "100nF" CAPC1005X55N 101.17,90.175 r0 top
C89 "10nF" CAPC1005X55N 123.21,62.395 r90 top
C90_1 "100nF" CAPC1005X55N 22.135,28.857 r180 top (schematic designator C90)
C90_2 "100nF" CAPC1005X55N 22.135,46.607 r180 top (schematic designator C90)
C90_3 "100nF" CAPC1005X55N 22.135,64.357 r180 top (schematic designator C90)
C90_4 "100nF" CAPC1005X55N 22.135,82.107 r180 top (schematic designator C90)
C91 "10uF" CAPC2012X135N 141.082,61.912 r0 top
C92 "100nF" CAPC1005X55N 139.864,93.334 r90 top
C93 "100nF" CAPC1005X55N 139.617,91.368 r270 top
C94 "100nF" CAPC1005X55N 138.053,87.269 r270 top
C95 "100nF" CAPC1005X55N 113.532,74.341 r0 top
C96 "100nF" CAPC1005X55N 122.611,65.359 r90 top
C97 "100nF" CAPC1005X55N 128.078,65.819 r0 top
C98 "100nF" CAPC1005X55N 134.828,65.708 r0 top
C99 "10uF" CAPC2012X135N 114.328,89.069 r90 top
C100 "1nF" CAPC1608X90N 106.607,90.513 r180 top
C101 "10uF" CAPC2012X135N 104.018,6.453 r270 top
C102 "Undefined" CAPC2012X135N 11.564,5.85 r270 top
C103 "Undefined" CAPC2012X135N 14,28 r0 top
C104_1 "1nF" CAPC1608X90N 79.292,29.231 r90 top (schematic designator C104)
C104_2 "1nF" CAPC1608X90N 79.292,47.731 r90 top (schematic designator C104)
C104_3 "1nF" CAPC1608X90N 79.292,66.231 r90 top (schematic designator C104)
C104_4 "1nF" CAPC1608X90N 79.292,84.731 r90 top (schematic designator C104)
C105_1 "10nF" CAPC1608X87N 77.723,27.975 r270 top (schematic designator C105)
C105_2 "10nF" CAPC1608X87N 77.583,46.511 r270 top (schematic designator C105)
C105_3 "10nF" CAPC1608X87N 77.519,65.058 r270 top (schematic designator C105)
C105_4 "10nF" CAPC1608X87N 77.618,83.548 r270 top (schematic designator C105)
C106_1 "1nF" CAPC1608X90N 79.292,26.081 r90 top (schematic designator C106)
C106_2 "1nF" CAPC1608X90N 79.292,44.581 r90 top (schematic designator C106)
C106_3 "1nF" CAPC1608X90N 79.292,63.081 r90 top (schematic designator C106)
C106_4 "1nF" CAPC1608X90N 79.292,81.581 r90 top (schematic designator C106)
C107_1 "1nF" CAPC1608X90N 79.292,22.989 r90 top (schematic designator C107)
C107_2 "1nF" CAPC1608X90N 79.292,41.489 r90 top (schematic designator C107)
C107_3 "1nF" CAPC1608X90N 79.292,59.989 r90 top (schematic designator C107)
C107_4 "1nF" CAPC1608X90N 79.292,78.489 r90 top (schematic designator C107)
C108 "100nF" CAPC1005X55N 6.411,20.318 r0 bottom
C109 "100nF" CAPC1005X55N 6.334,16.431 r0 bottom
C110_1 "10nF" CAPC1608X87N 77.728,21.636 r270 top (schematic designator C110)
C110_2 "10nF" CAPC1608X87N 77.103,40.073 r270 top (schematic designator C110)
C110_3 "10nF" CAPC1608X87N 77.608,58.278 r270 top (schematic designator C110)
C110_4 "10nF" CAPC1608X87N 77.544,76.868 r270 top (schematic designator C110)
C111_1 "1nF" CAPC1608X90N 79.292,19.895 r90 top (schematic designator C111)
C111_2 "1nF" CAPC1608X90N 79.292,38.395 r90 top (schematic designator C111)
C111_3 "1nF" CAPC1608X90N 79.292,56.895 r90 top (schematic designator C111)
C111_4 "1nF" CAPC1608X90N 79.292,75.395 r90 top (schematic designator C111)
C112 "10uF" CAPC2012X135N 63.25,93.5 r90 top
C113 "1uF" CAPC1608X87N 72.75,93.935 r270 top
C114 "10uF" CAPC2012X135N 83.906,93.758 r270 top
C115 "1uF" CAPC1608X87N 90.052,94.058 r90 top
C116_1 "100nF" CAPC1005X55N 55.345,34.595 r270 top (schematic designator C116)
C116_2 "100nF" CAPC1005X55N 55.5,52.207 r270 top (schematic designator C116)
C116_3 "100nF" CAPC1005X55N 55.114,69.855 r270 top (schematic designator C116)
C116_4 "100nF" CAPC1005X55N 55.244,87.65 r270 top (schematic designator C116)
C117 "10uF" CAPC2012X135N 47.7,9.4 r270 top
C118 "2.2nF" CAPC1608X87N 36.786,14.865 r0 bottom
C119_1 "10nF" CAPC1608X87N 102.903,16.906 r270 top (schematic designator C119)
C119_2 "10nF" CAPC1608X87N 102.903,35.406 r270 top (schematic designator C119)
C119_3 "10nF" CAPC1608X87N 102.903,53.906 r270 top (schematic designator C119)
C119_4 "10nF" CAPC1608X87N 102.903,72.406 r270 top (schematic designator C119)
C120_1 "100nF" CAPC1608X87N 81.894,15.456 r180 top (schematic designator C120)
C120_2 "100nF" CAPC1608X87N 82.125,34.16 r180 top (schematic designator C120)
C120_3 "100nF" CAPC1608X87N 81.394,52.557 r180 top (schematic designator C120)
C120_4 "100nF" CAPC1608X87N 81.924,71.118 r180 top (schematic designator C120)
C121_1 "100nF" CAPC1608X87N 102.553,19.344 r0 top (schematic designator C121)
C121_2 "100nF" CAPC1608X87N 102.553,37.594 r0 top (schematic designator C121)
C121_3 "100nF" CAPC1608X87N 102.553,56.344 r0 top (schematic designator C121)
C121_4 "100nF" CAPC1608X87N 102.553,74.844 r0 top (schematic designator C121)
C122_1 "10nF" CAPC1608X87N 87.769,14.381 r180 top (schematic designator C122)
C122_2 "10nF" CAPC1608X87N 88.244,33.3 r180 top (schematic designator C122)
C122_3 "10nF" CAPC1608X87N 87.769,51.381 r180 top (schematic designator C122)
C122_4 "10nF" CAPC1608X87N 87.769,69.881 r180 top (schematic designator C122)
C123_1 "10nF" CAPC1608X87N 101.403,16.906 r90 top (schematic designator C123)
C123_2 "10nF" CAPC1608X87N 101.403,35.406 r90 top (schematic designator C123)
C123_3 "10nF" CAPC1608X87N 101.403,53.906 r90 top (schematic designator C123)
C123_4 "10nF" CAPC1608X87N 101.403,72.406 r90 top (schematic designator C123)
C126 "100nF" CAPC1005X55N 136.5,91.55 r270 top
C127_1 "100nF" CAPC1005X55N 57.53,27.541 r90 top (schematic designator C127)
C127_2 "100nF" CAPC1005X55N 57.479,45.314 r90 top (schematic designator C127)
C127_3 "100nF" CAPC1005X55N 57.479,63.043 r90 top (schematic designator C127)
C127_4 "100nF" CAPC1005X55N 57.58,80.797 r90 top (schematic designator C127)
C144 "100nF" CAPC1005X55N 139.812,41.193 r0 top
C145 "100nF" CAPC1005X55N 139.895,33.875 r0 top
C146 "100nF" CAPC1005X55N 139.812,50.968 r0 top
C147 "100nF" CAPC1005X55N 139.812,35.656 r0 top
C148 "100nF" CAPC1005X55N 139.862,53.025 r0 top
C152 "1uF" CAPC1608X87N 30.289,16.887 r0 top
C155 "10uF" CAPC2012X135N 63.158,6.009 r270 bottom
C156 "10uF" CAPC2012X135N 74.689,5.948 r270 bottom
C157 "47uF" CAPC2012X145N 63.183,9.699 r90 bottom
C158 "47uF" CAPC2012X145N 74.689,9.638 r90 bottom
C159 "100nF" CAPC1005X55N 71.216,8.548 r180 bottom
C160 "Undefined" CAPC2012X135N 8.425,94.312 r0 bottom
C161 "Undefined" CAPC2012X135N 9.618,5.729 r270 top
C162_1 "10nF" CAPC1005X55N 56.152,28.956 r180 top (schematic designator C162)
C162_2 "10nF" CAPC1005X55N 56.355,46.649 r180 top (schematic designator C162)
C162_3 "10nF" CAPC1005X55N 56.4,64.381 r180 top (schematic designator C162)
C162_4 "10nF" CAPC1005X55N 56.275,82.199 r180 top (schematic designator C162)
C163 "10uF" CAPC2012X135N 83.644,5.948 r270 bottom
C164 "47uF" CAPC2012X145N 83.619,9.638 r90 bottom
C165 "220uF" CAPMP7343X430N 59.19,15.604 r90 top
C166 "22uF" CAPC2012X135N 92.046,7.182 r270 bottom
C167 "22uF" CAPC2012X135N 72.061,5.948 r270 bottom
C168_1 "1uF" CAPC1608X87N 49.927,33.932 r0 top (schematic designator C168)
C168_2 "1uF" CAPC1608X87N 49.86,51.865 r0 top (schematic designator C168)
C168_3 "1uF" CAPC1608X87N 49.808,69.474 r0 top (schematic designator C168)
C168_4 "1uF" CAPC1608X87N 49.995,87.14 r0 top (schematic designator C168)
D1_1 "BAT165" SOD2512X110N 57.925,21.244 r180 top (schematic designator D1)
D1_2 "BAT165" SOD2512X110N 57.925,38.994 r180 top (schematic designator D1)
D1_3 "BAT165" SOD2512X110N 57.925,56.744 r180 top (schematic designator D1)
D1_4 "BAT165" SOD2512X110N 57.925,74.494 r180 top (schematic designator D1)
D2 "BAT165" SOD2512X110N 139.5,24.265 r90 top
D3 "DRTR5V0U4S-7" SOT65P210X110-6N 133.775,92.925 r0 top
D4 "DRTR5V0U4S-7" SOT65P210X110-6N 98.81,94.53 r90 top
D5 "BAT165" SOD2512X110N 149.556,70.406 r0 top
D6 "PMEG6020ER" SODFL3517X110N 22.3,8.5 r0 top
D7 "PMEG6020ER" SODFL3517X110N 22.5,16 r180 bottom
D8 "PMEG6020ER" SODFL3517X110N 22.3,13.5 r0 top
D9 "PMEG6020ER" SODFL3517X110N 22.5,8.5 r0 bottom
D10 "PMEG6020ER" SODFL3517X110N 22.3,11 r180 top
D11 "PMEG6020ER" SODFL3517X110N 22.3,16 r180 top
D12 "PMEG6020ER" SODFL3517X110N 100.849,7.224 r0 bottom
D13_1 "BAS416" SOD2512X110N 86.18,29.962 r180 top (schematic designator D13)
D13_2 "BAS416" SOD2512X110N 86.239,47.761 r180 top (schematic designator D13)
D13_3 "BAS416" SOD2512X110N 86.239,66.261 r180 top (schematic designator D13)
D13_4 "BAS416" SOD2512X110N 86.239,84.761 r180 top (schematic designator D13)
D14_1 "BAS416" SOD2512X110N 86.194,25.282 r180 top (schematic designator D14)
D14_2 "BAS416" SOD2512X110N 86.194,43.782 r180 top (schematic designator D14)
D14_3 "BAS416" SOD2512X110N 86.194,62.282 r180 top (schematic designator D14)
D14_4 "BAS416" SOD2512X110N 86.194,80.782 r180 top (schematic designator D14)
D15_1 "BAS416" SOD2512X110N 82.139,29.227 r180 top (schematic designator D15)
D15_2 "BAS416" SOD2512X110N 82.139,47.727 r180 top (schematic designator D15)
D15_3 "BAS416" SOD2512X110N 82.139,66.227 r180 top (schematic designator D15)
D15_4 "BAS416" SOD2512X110N 82.139,84.727 r180 top (schematic designator D15)
D16_1 "BAS416" SOD2512X110N 82.099,25.282 r180 top (schematic designator D16)
D16_2 "BAS416" SOD2512X110N 82.099,43.782 r180 top (schematic designator D16)
D16_3 "BAS416" SOD2512X110N 82.099,62.282 r180 top (schematic designator D16)
D16_4 "BAS416" SOD2512X110N 82.099,80.782 r180 top (schematic designator D16)
D17_1 "BAS416" SOD2512X110N 86.215,23.398 r180 top (schematic designator D17)
D17_2 "BAS416" SOD2512X110N 86.215,41.898 r180 top (schematic designator D17)
D17_3 "BAS416" SOD2512X110N 86.215,60.398 r180 top (schematic designator D17)
D17_4 "BAS416" SOD2512X110N 86.215,78.898 r180 top (schematic designator D17)
D18_1 "BAS416" SOD2512X110N 86.144,19.355 r180 top (schematic designator D18)
D18_2 "BAS416" SOD2512X110N 86.144,37.855 r180 top (schematic designator D18)
D18_3 "BAS416" SOD2512X110N 86.144,56.355 r180 top (schematic designator D18)
D18_4 "BAS416" SOD2512X110N 86.144,74.855 r180 top (schematic designator D18)
D19_1 "BAS416" SOD2512X110N 82.099,23.398 r180 top (schematic designator D19)
D19_2 "BAS416" SOD2512X110N 82.099,41.898 r180 top (schematic designator D19)
D19_3 "BAS416" SOD2512X110N 82.099,60.398 r180 top (schematic designator D19)
D19_4 "BAS416" SOD2512X110N 82.099,78.898 r180 top (schematic designator D19)
D20_1 "BAS416" SOD2512X110N 82.079,19.355 r180 top (schematic designator D20)
D20_2 "BAS416" SOD2512X110N 82.079,37.855 r180 top (schematic designator D20)
D20_3 "BAS416" SOD2512X110N 82.079,56.355 r180 top (schematic designator D20)
D20_4 "BAS416" SOD2512X110N 82.079,74.855 r180 top (schematic designator D20)
D21 "DRTR5V0U4S-7" SOT65P210X110-6N 15.9,6 r90 top
D22 "PMEG6020ER" SODFL3517X110N 22.5,11 r180 bottom
D23 "PMEG6020ER" SODFL3517X110N 22.5,13.5 r0 bottom
D24 "SMBJ15A" DIOM5336X265N 145.9,93.3 r0 top
D25 "1SMA5920BT3G" DIOM5226X220N 77.875,93.475 r0 top
D26 "DRTR5V0U4S-7" SOT65P210X110-6N 153.64,70.713 r180 top